# KiCad board labathome_pcb15.kicad_pcb (continued)
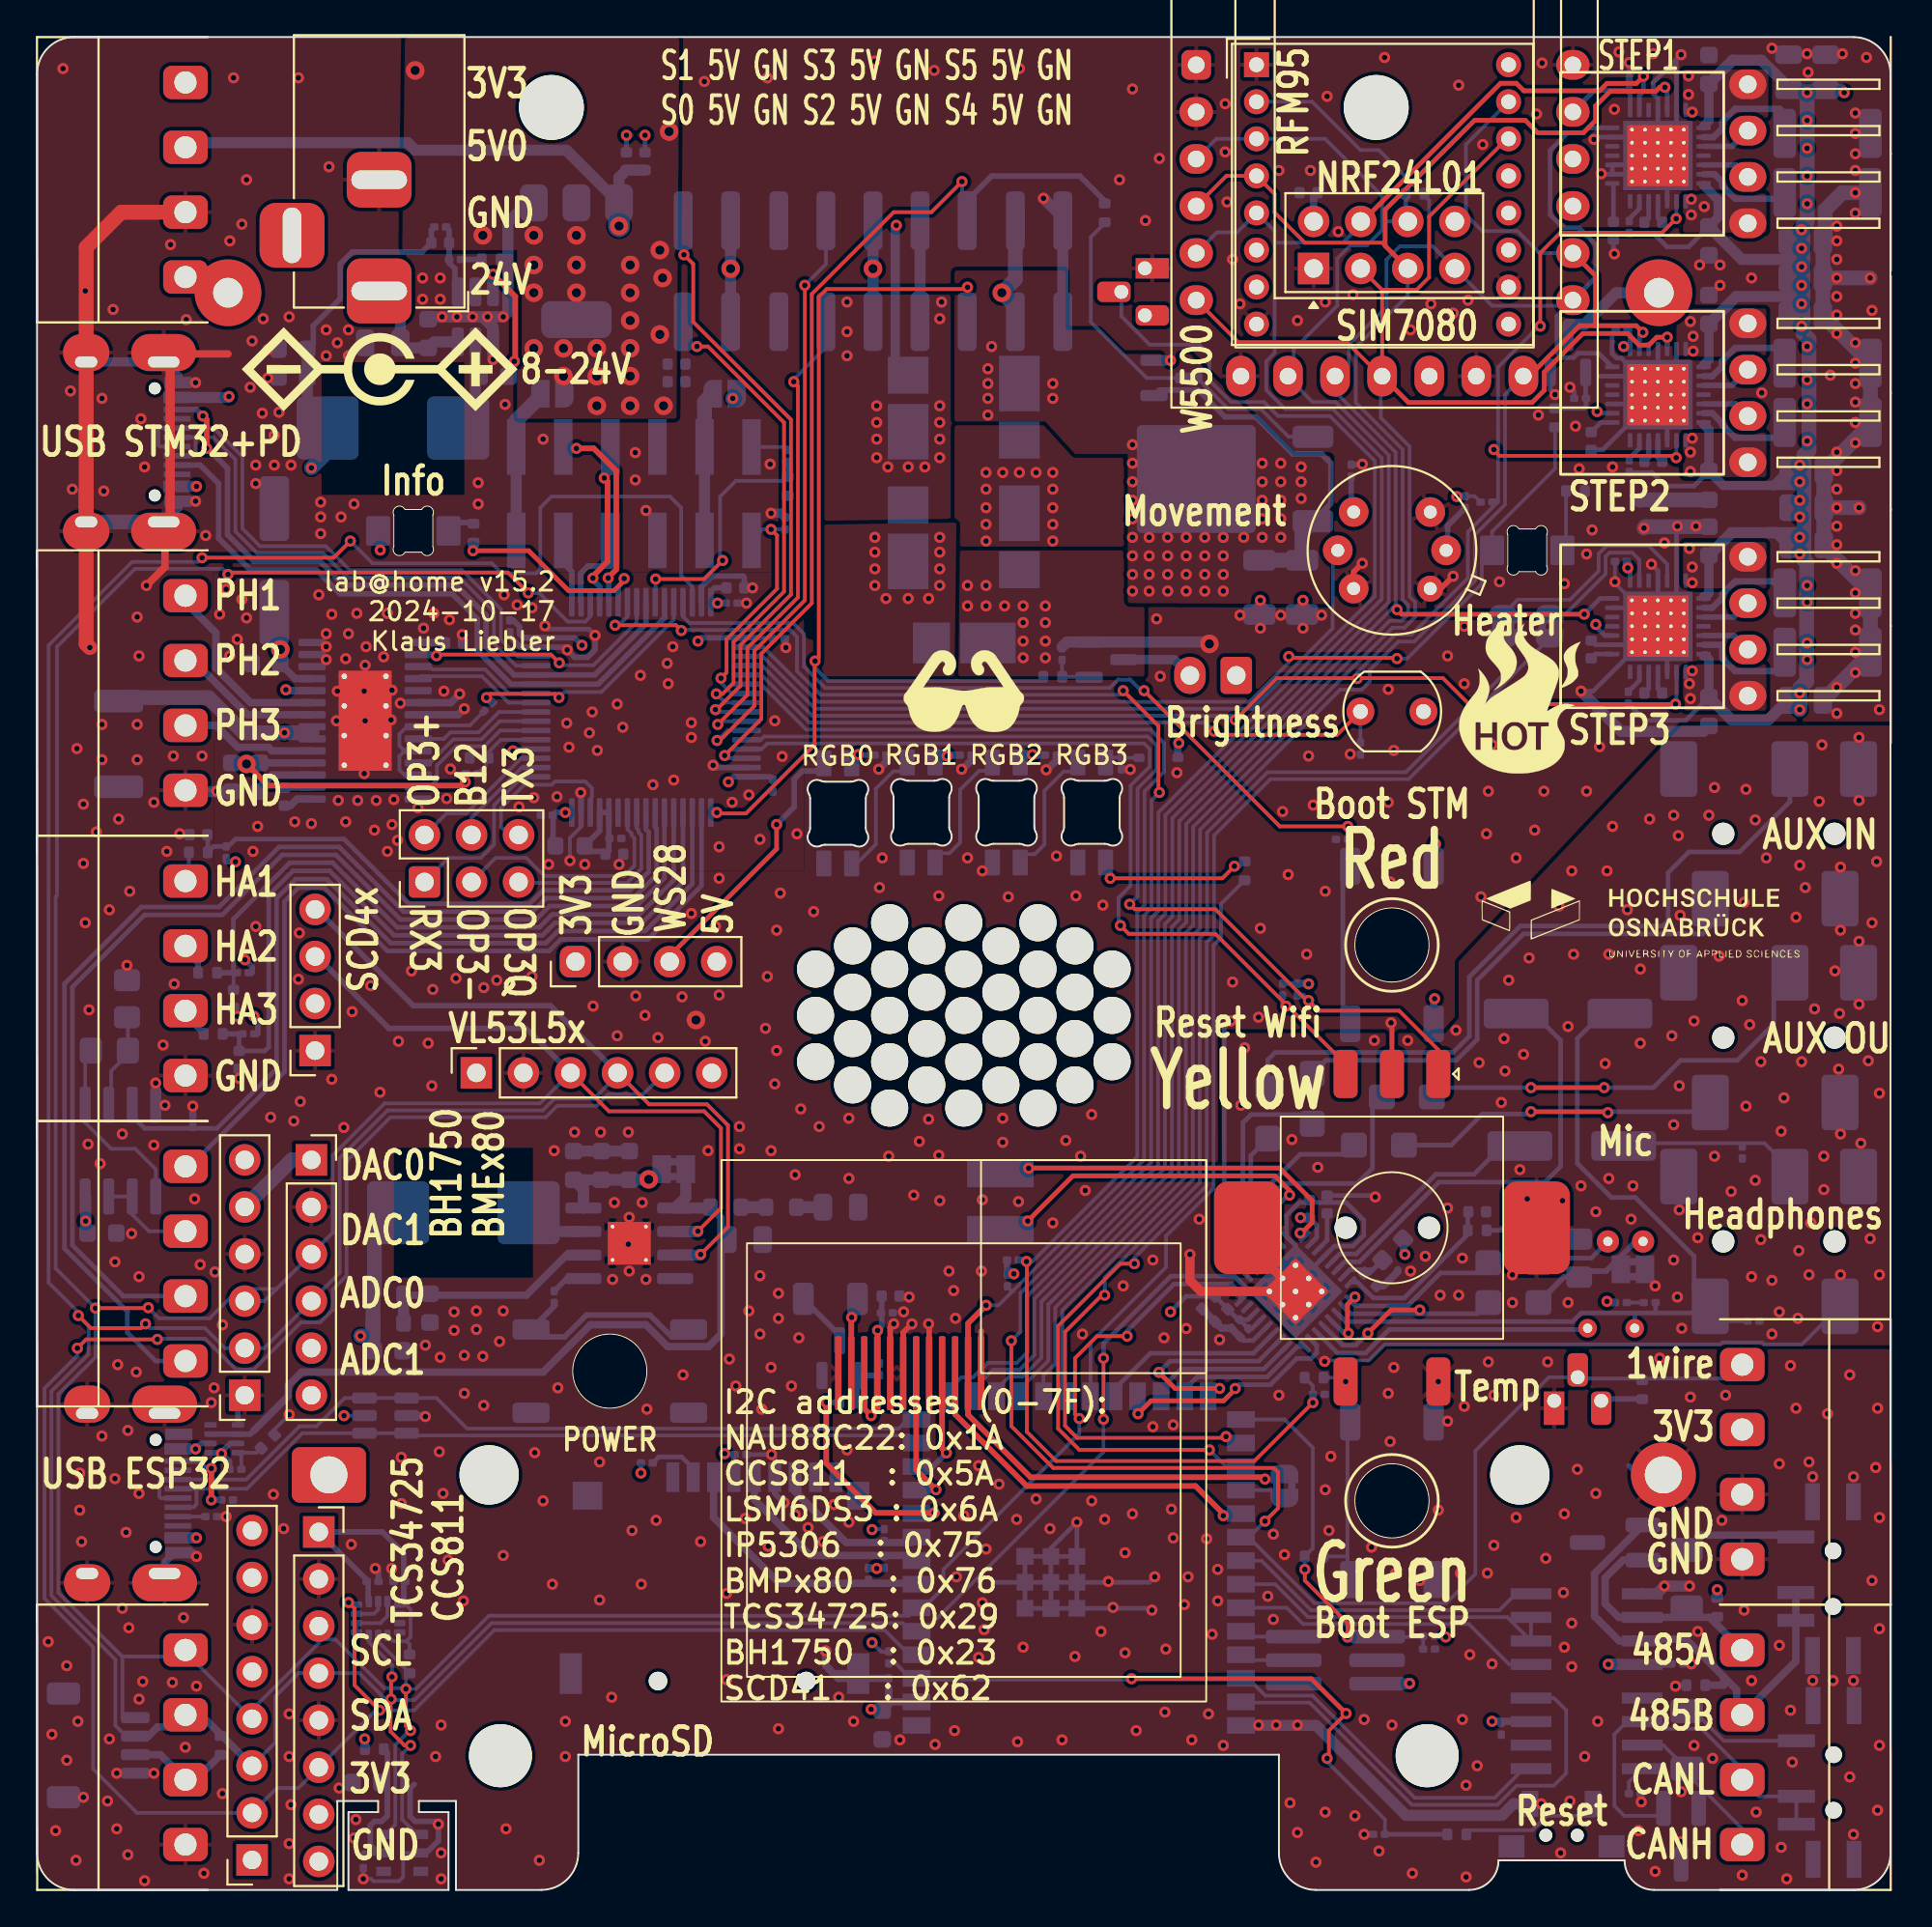
[diagram p0: board, top side]
## Library data of the parts
BT1 = -: Description: Single-cell battery
C1-C7 C11 C26-C31 C40-C48 C53 C56 C59 C64 C69 C72 C77-C85 C88 C93 C96 C97 = -: ki_fp_filters: C_*
C8-C10 C12-C15 C21 C22 C25 C32-C35 C37 C38 C49-C52 C58 C61 C63 C65-C68 C70 C71 C73-C76 C86 C87 C89-C92 C94 C95 C98 C120 = -: Description: Unpolarized capacitor; ki_fp_filters: C_*
C16 C17 C20 C23 C24 C62 = -: Description: Polarized capacitor, small symbol; ki_fp_filters: CP_*
C18 C19 = -: Description: Polarized capacitor; ki_fp_filters: CP_*
C36 = -: Datasheet: C307423; Description: Unpolarized capacitor; ki_fp_filters: C_*
C39 = -: Datasheet: C72478; Description: Polarized capacitor; ki_fp_filters: CP_*
C54 C55 C57 C60 = -: Option: MS4525DO; ki_fp_filters: C_*
D2 = -: Datasheet: https://www.onsemi.com/pub_link/Collateral/NUP2105L-D.PDF; Description: Dual Line CAN Bus Protector, 24Vrwm; ki_fp_filters: SOT?23*
D3 = -: Datasheet: https://www.littelfuse.com/~/media/electronics/datasheets/tvs_diode_arrays/littelfuse_tvs_diode_array_sm712_datasheet.pdf.pdf; ki_fp_filters: SOT?23*
D8-D12 D14 D19 = -: ki_fp_filters: LED* LED_SMD:* LED_THT:*
D15-D17 D21 = -: ki_fp_filters: LED*SK6812*PLCC*5.0x5.0mm*P3.2mm*
D20 = -: Description: Diode; Sim.Device: D; Sim.Pins: 1=K 2=A; ki_fp_filters: TO-???* *_Diode_* *SingleDiode* D_*
DRAWING1 = -: Description: Fiducial Marker; ki_fp_filters: Fiducial*
FB1 = -: Description: Ferrite bead, small symbol; ki_fp_filters: Inductor_* L_* *Ferrite*
FB2 = -: Datasheet: C19330; Description: Ferrite bead, small symbol; ki_fp_filters: Inductor_* L_* *Ferrite*
J1 J2 J4 J7 J10 J12 J15 J19-J22 J24 J27 J28 J30 J31 = -: ki_fp_filters: Connector*:*_1x??_*
J3 J14 J16 = -: Description: Audio Jack, 3 Poles (Stereo / TRS), Switched T Pole (Normalling); ki_fp_filters: Jack*
J5 J13 = -: Datasheet: https://www.usb.org/sites/default/files/documents/usb_type-c.zip; Description: USB 2.0-only 16P Type-C Receptacle connector; ki_fp_filters: USB*C*Receptacle*
J6 = -: ki_fp_filters: Connector*:*_2x??_*
J8 = -: Description: Generic connector, single row, 01x04, script generated (kicad-library-utils/schlib/autogen/connector/); ki_fp_filters: Connector*:*_1x??_*
J9 = -: Description: DC Barrel Jack with an internal switch; ki_fp_filters: BarrelJack*
J11 = -: Description: Generic connectable mounting pin connector, single row, 01x04, script generated (kicad-library-utils/schlib/autogen/connector/); ki_fp_filters: Connector*:*_1x??-1MP*
J17 = -: Datasheet: https://datasheet.lcsc.com/lcsc/2110151630_XKB-Connectivity-XKTF-015-N_C381082.pdf; Description: Micro SD Card Socket with one card detection pin; ki_fp_filters: microSD*
J23 = -: Description: Generic connector, single row, 01x06, script generated (kicad-library-utils/schlib/autogen/connector/); ki_fp_filters: Connector*:*_1x??_*
J26 = -: Description: Generic connector, double row, 02x09, odd/even pin numbering scheme (row 1 odd numbers, row 2 even numbers), script generated (kicad-library-utils/schlib/autogen/connector/); ki_fp_filters: Connector*:*_2x??_*
J34 = -: Description: Generic connector, double row, 02x03, odd/even pin numbering scheme (row 1 odd numbers, row 2 even numbers), script generated (kicad-library-utils/schlib/autogen/connector/); ki_fp_filters: Connector*:*_2x??_*
J36 = -: Description: Generic connector, double row, 02x06, odd/even pin numbering scheme (row 1 odd numbers, row 2 even numbers), script generated (kicad-library-utils/schlib/autogen/connector/); ki_fp_filters: Connector*:*_2x??_*
JP1-JP3 JP6 JP7 = -: Description: Jumper, 2-pole, closed/bridged; ki_fp_filters: Jumper* TestPoint*2Pads* TestPoint*Bridge*
JP4 JP5 = -: Description: Solder Jumper, 2-pole, open; ki_fp_filters: SolderJumper*Open*
L1 = -: ki_fp_filters: Choke_* *Coil* Inductor_* L_*
L4 = -: Datasheet: C408449; ki_fp_filters: Choke_* *Coil* Inductor_* L_*
LS2 = -: Description: Mounting Hole without connection; ki_fp_filters: MountingHole*
MK1 = -: Description: Condenser microphone
NT1 = -: Description: Net tie, 2 pins; ki_fp_filters: Net*Tie*
Q1 = -: Datasheet: https://www.onsemi.com/pub/Collateral/BC818-D.pdf; ki_fp_filters: SOT?23*
Q2 Q5 Q6 = -: Datasheet: https://www.infineon.com/dgdl/irlml0030pbf.pdf?fileId=5546d462533600a401535664773825df; Description: 5.3A Id, 30V Vds, 27mOhm Rds, N-Channel HEXFET Power MOSFET, SOT-23; ki_fp_filters: SOT?23*
Q3 = -: Description: NPN transistor, base/collector/emitter
R1-R8 R12 R13 R15 R18-R22 R28 R30 R31 R33-R37 R39-R50 R53 R56-R62 R66 R67 R70 R72-R75 R78 = -: ki_fp_filters: R_*
R9-R11 R14 R16 R17 R23-R27 R29 R38 R51 R54 R55 R63-R65 R68 R69 R71 R79 R80 R83 R84 R87 R88 = -: Description: Resistor; ki_fp_filters: R_*
R32 = -: ki_fp_filters: *LDR* R?LDR*
R52 = -: Option: Sound only; ki_fp_filters: R_*
SW2 SW3 = -: Description: Switch, single pole double throw
SW6 = -: Description: Rotary encoder, dual channel, incremental quadrate outputs, with switch and MP Pin; ki_fp_filters: RotaryEncoder*Switch*
TP1 TP6 = -: Description: test point; ki_fp_filters: Pin* Test*
U1 = -: Datasheet: https://datasheets.maximintegrated.com/en/ds/MAX3483-MAX3491.pdf; Description: True RS-485/RS-422, 10Mbps, Slew-Rate Limited, with low-power shutdown, with receiver/driver enable, 32 receiver drive capacitity, DIP-8 and SOIC-8; ki_fp_filters: DIP*W7.62mm* SOIC*3.9x4.9mm*P1.27mm*
U4 = -: Datasheet: https://www.espressif.com/sites/default/files/documentation/esp32-s3-wroom-1_wroom-1u_datasheet_en.pdf
U5 = -: Datasheet: https://www.st.com/resource/en/datasheet/stm32g431r8.pdf; Description: STMicroelectronics Arm Cortex-M4 MCU, 64KB flash, 32KB RAM, 170 MHz, 1.71-3.6V, 52 GPIO, LQFP64; ki_fp_filters: LQFP*10x10mm*P0.5mm*
U6 = -: Datasheet: https://www.hoperf.com/data/upload/portal/20181127/5bfcbea20e9ef.pdf; Description: Low power long range transceiver module, SPI and parallel interface, 868 MHz, spreading factor 6 to12, bandwidth 7.8 to 500kHz, -111 to -148 dBm, SMD-16, DIP-16; ki_fp_filters: HOPERF*RFM9XW*
U7 = -: Datasheet: http://www.ti.com/lit/ds/symlink/sn65hvd230.pdf; ki_fp_filters: SOIC*3.9x4.9mm*P1.27mm*
U8 = -: Datasheet: http://www.onsemi.com/pub/Collateral/SRV05-4-D.PDF; ki_fp_filters: SOT?23*
U9 = -: Datasheet: https://www.st.com/resource/en/datasheet/lsm6ds3tr-c.pdf; Description: I2C/SPI, iNEMO inertial module: always-on 3D accelerometer and 3D gyroscope; ki_fp_filters: LGA*3x2.5mm*P0.5mm*LayoutBorder3x4y*
U11 = -: Datasheet: http://www.advanced-monolithic.com/pdf/ds1117.pdf; Description: 1A Low Dropout regulator, positive, 3.3V fixed output, SOT-223; ki_fp_filters: SOT?223*TabPin2*
U13 U17 = -: Datasheet: http://datasheets.maximintegrated.com/en/ds/DS18B20.pdf; Description: Programmable Resolution 1-Wire Digital Thermometer TO-92; ki_fp_filters: TO*92*
U14 U19 U20 = -: Datasheet: https://www.analog.com/media/en/technical-documentation/data-sheets/TMC2202_TMC2208_TMC2224_datasheet_rev1.13.pdf; Description: Standalone driver for two-phase bipolar stepper motor, 2A, 4.75… 36V, UART, internal FETs, QFN28; ki_fp_filters: TQFN*1EP?5x5mm?P0.5mm*
U15 = -: Datasheet: http://www.nordicsemi.com/eng/content/download/2730/34105/file/nRF24L01_Product_Specification_v2_0.pdf; Description: Ultra low power 2.4GHz RF Transceiver, Carrier PCB; ki_fp_filters: nRF24L01*Breakout*
U16 = -: Datasheet: http://www.ti.com/lit/ds/symlink/lm2904-n.pdf; ki_fp_filters: SOIC*3.9x4.9mm*P1.27mm* DIP*W7.62mm* TO*99* OnSemi*Micro8* TSSOP*3x3mm*P0.65mm* TSSOP*4.4x3mm*P0.65mm* MSOP*3x3mm*P0.65mm* SSOP*3.9x4.9mm*P0.635mm* LFCSP*2x2mm*P0.5mm* *SIP* SOIC*5.3x6.2mm*P1.27mm*
U18 = -: Datasheet: https://www.ti.com/lit/ds/symlink/tps2116.pdf; Description: 2 Channnels Power Mux with Manual and Priority Switchover, 1.6-5.5V Input Voltage, 2.5A Output Current, Ron 40 mOhm, SOT-583-8; ki_fp_filters: SOT?5?3*
U27 = -: Datasheet: http://www.ti.com/lit/ds/symlink/tps54202.pdf; ki_fp_filters: SOT?23*

## Footprints (pads in the part's own frame, mm; a bottom-side part is the same pattern mirrored in y, then rotated)
AHT21
  rect 0.8x0.5 smd: 1(-1,1) 2(-1,0) 3(-1,-1) 4(1,-1) 5(1,0) 6(1,1)
AM612
  oval 1.4x1.4 hole 0.7: 1(2.7,-1.12)
  round 1.6 hole 0.7: 2(2.7,1.12) 3(1.12,2.7) 4(-2.7,1.12) 5(-2.7,-1.12) 6(-1.12,-2.7)
BarrelJack_Horizontal
  rrect 3x3.5 hole 1x3: 1(-6,0)
  rrect 3.5x3.5 hole 1x3: 2(0,0)
  rrect 3.5x3.5 hole 3x1: 3(-3,-4.7)
BatteryHolder_MPD_BH-18650-PC2
  round 3.2 hole 3.2 unplated: (8.645,0) (64.255,0)
  rrect 4x3 hole 2: 1(0,0)
  round 3.5 hole 2: 2(72,0)
Button_2x4x3,5_handsolder
  round 0.7 hole 0.7 unplated: (-0.85,0) (0.85,0)
  rect 0.9x1.4 smd: 1(-1.7,-1.7) 2(1.7,-1.7)
  rect 1.4x1.2 smd: MP(-2.7,0.6) MP(2.7,0.6)
C_0201_0603Metric
  rrect 0.318x0.36 smd: (-0.345,0) (0.345,0)
  rrect 0.46x0.4 smd: 1(-0.32,0) 2(0.32,0)
C_0402_1005Metric
  rrect 0.56x0.62 smd: 1(-0.48,0) 2(0.48,0)
C_0603_1608Metric
  rrect 0.9x0.95 smd: 1(-0.775,0) 2(0.775,0)
C_0805_2012Metric
  rrect 1x1.45 smd: 1(-0.95,0) 2(0.95,0)
CP_EIA-3216-10_Kemet-I
  rrect 1.4x1.35 smd: 1(-1.35,0) 2(1.35,0)
CP_Elec_6.3x5.4
  rrect 3.5x1.6 smd: 1(-2.8,0) 2(2.8,0)
D_0805_2012Metric_Pad1.15x1.40mm_HandSolder
  rrect 1.15x1.4 smd: 1(-1.025,0) 2(1.025,0)
D_SOD-323
  rrect 0.6x0.45 smd: 1(-1.05,0) 2(1.05,0)
ESP32-S3-WROOM-1
  rect 1.5x0.9 smd: 1(-8.75,8.26) 2(-8.75,6.99) 3(-8.75,5.72) 4(-8.75,4.45) 5(-8.75,3.18) 6(-8.75,1.91) 7(-8.75,0.64) 8(-8.75,-0.63) 9(-8.75,-1.9) 10(-8.75,-3.17) 11(-8.75,-4.44) 12(-8.75,-5.71) 13(-8.75,-6.98) 14(-8.75,-8.25) 27(8.75,-8.25) 28(8.75,-6.98) 29(8.75,-5.71) 30(8.75,-4.44) 31(8.75,-3.17) 32(8.75,-1.9) 33(8.75,-0.63) 34(8.75,0.64) 35(8.75,1.91) 36(8.75,3.18) 37(8.75,4.45) 38(8.75,5.72) 39(8.75,6.99) 40(8.75,8.26)
  rect 0.9x1.5 smd: 15(-6.985,-9.5) 16(-5.715,-9.5) 17(-4.445,-9.5) 18(-3.175,-9.5) 19(-1.905,-9.5) 20(-0.635,-9.5) 21(0.635,-9.5) 22(1.905,-9.5) 23(3.175,-9.5) 24(4.445,-9.5) 25(5.715,-9.5) 26(6.985,-9.5)
  rect 0.9x0.9 smd: 41(-2.9,-0.86) 41(-2.9,-0.86) 41(-2.9,0.54) 41(-2.9,1.94) 41(-1.5,-0.86) 41(-1.5,0.54) 41(-1.5,1.94) 41(-1.5,1.94) 41(-0.1,-0.86) 41(-0.1,0.54) 41(-0.1,1.94)
FAN_6024
  round 3.4 hole 3.4 unplated: (-25,12.5) (25,12.5)
HOPERF_RFM9XW_THT
  rect 1.35x1.35 hole 0.8: 1(0,0)
  round 1.35 hole 0.8: 2(0,-2) 3(0,-4) 4(0,-6) 5(0,-8) 6(0,-10) 7(0,-12) 8(0,-14) 9(13.6,-14) 10(13.6,-12) 11(13.6,-10) 12(13.6,-8) 13(13.6,-6) 14(13.6,-4) 15(13.6,-2) 16(13.6,0)
HSOP-8-1EP_3.9x4.9mm_P1.27mm_EP2.3x2.3mm_ThermalVias
  rrect 0.93x0.93 smd: (-0.575,-0.575) (-0.575,0.575) (0.575,-0.575) (0.575,0.575)
  rrect 1.95x0.6 smd: 1(-2.475,1.905) 2(-2.475,0.635) 3(-2.475,-0.635) 4(-2.475,-1.905) 5(2.475,-1.905) 6(2.475,-0.635) 7(2.475,0.635) 8(2.475,1.905)
  round 0.5 hole 0.2: 9(-0.9,-0.9) 9(-0.9,0.9) 9(0.9,-0.9) 9(0.9,0.9)
  rect 2.3x2.3 smd far side: 9(0,0)
  rect 2.3x2.3 smd: 9(0,0)
HTSSOP-28-1EP_4.4x9.7mm_P0.65mm_EP2.85x5.4mm_ThermalVias
  rrect 2.3x1.45 smd: (0,-1.8) (0,0) (0,1.8)
  rrect 1.475x0.4 smd: 1(-2.862,4.225) 2(-2.862,3.575) 3(-2.862,2.925) 4(-2.862,2.275) 5(-2.862,1.625) 6(-2.862,0.975) 7(-2.862,0.325) 8(-2.862,-0.325) 9(-2.862,-0.975) 10(-2.862,-1.625) 11(-2.862,-2.275) 12(-2.862,-2.925) 13(-2.862,-3.575) 14(-2.862,-4.225) 15(2.862,-4.225) 16(2.862,-3.575) 17(2.862,-2.925) 18(2.862,-2.275) 19(2.862,-1.625) 20(2.862,-0.975) 21(2.862,-0.325) 22(2.862,0.325) 23(2.862,0.975) 24(2.862,1.625) 25(2.862,2.275) 26(2.862,2.925) 27(2.862,3.575) 28(2.862,4.225)
  round 0.6 hole 0.3: 29(-1.125,-2.4) 29(-1.125,-0.8) 29(-1.125,0.8) 29(-1.125,2.4) 29(1.125,-2.4) 29(1.125,-0.8) 29(1.125,0.8) 29(1.125,2.4)
  rect 2.85x5.4 smd far side: 29(0,0)
  rect 2.85x5.4 smd: 29(0,0)
IPS_130
  rrect 0.35x4 smd: 1(6.77,-4.69) 2(6.07,-4.69) 3(5.37,-4.69) 4(4.67,-4.69) 5(3.97,-4.69) 6(3.27,-4.69) 7(2.57,-4.69) 8(1.87,-4.69) 9(1.17,-4.69) 10(0.47,-4.69) 11(-0.23,-4.69) 12(-0.93,-4.69)
JST_SH_SM04B-SRSS-TB_1x04-1MP_P1.00mm_Horizontal
  rrect 0.6x1.55 smd: 1(-1.5,2) 2(-0.5,2) 3(0.5,2) 4(1.5,2)
  rrect 1.2x1.8 smd: MP(-2.8,-1.875) MP(2.8,-1.875)
JST_XH_B2B-XH-A_1x02_P2.50mm_Vertical
  rrect 1.7x2 hole 1: 1(0,0)
  oval 1.7x2 hole 1: 2(2.5,0)
JST_XH_S4B-XH-A-1_1x04_P2.50mm_Horizontal_SmallerCourtyard
  oval 1.6x2 hole 0.95: 1(0,0) 2(2.5,0) 3(5,0) 4(7.5,0)
L_0603_1608Metric
  rrect 0.875x0.95 smd: 1(-0.788,0) 2(0.788,0)
L_0630
  rrect 3.35x3.4 smd: 1(-3.525,0) 2(3.525,0)
L_Abracon_ASPI-0425
  rect 1.5x3.6 smd: 1(-1.525,0) 2(1.525,0)
LED_1206_3216Metric_ReverseMount
  rrect 1.3x1.6 smd: 1(-1.9,0) 2(1.9,0)
LED_PLCC_2835_Handsoldering
  rect 3x2.2 smd: 1(-1.3,0)
  rect 2x2.2 smd: 2(1.75,0)
LGA-14_3x2.5mm_P0.5mm_LayoutBorder3x4y
  rrect 0.625x0.35 smd: 1(-1.163,0.75) 2(-1.163,0.25) 3(-1.163,-0.25) 4(-1.163,-0.75) 8(1.163,-0.75) 9(1.163,-0.25) 10(1.163,0.25) 11(1.163,0.75)
  rrect 0.35x0.625 smd: 5(-0.5,-0.912) 6(0,-0.912) 7(0.5,-0.912) 12(0.5,0.912) 13(0,0.912) 14(-0.5,0.912)
LQFP-64_10x10mm_P0.5mm
  rrect 1.55x0.3 smd: 1(-5.675,3.75) 2(-5.675,3.25) 3(-5.675,2.75) 4(-5.675,2.25) 5(-5.675,1.75) 6(-5.675,1.25) 7(-5.675,0.75) 8(-5.675,0.25) 9(-5.675,-0.25) 10(-5.675,-0.75) 11(-5.675,-1.25) 12(-5.675,-1.75) 13(-5.675,-2.25) 14(-5.675,-2.75) 15(-5.675,-3.25) 16(-5.675,-3.75) 33(5.675,-3.75) 34(5.675,-3.25) 35(5.675,-2.75) 36(5.675,-2.25) 37(5.675,-1.75) 38(5.675,-1.25) 39(5.675,-0.75) 40(5.675,-0.25) 41(5.675,0.25) 42(5.675,0.75) 43(5.675,1.25) 44(5.675,1.75) 45(5.675,2.25) 46(5.675,2.75) 47(5.675,3.25) 48(5.675,3.75)
  rrect 0.3x1.55 smd: 17(-3.75,-5.675) 18(-3.25,-5.675) 19(-2.75,-5.675) 20(-2.25,-5.675) 21(-1.75,-5.675) 22(-1.25,-5.675) 23(-0.75,-5.675) 24(-0.25,-5.675) 25(0.25,-5.675) 26(0.75,-5.675) 27(1.25,-5.675) 28(1.75,-5.675) 29(2.25,-5.675) 30(2.75,-5.675) 31(3.25,-5.675) 32(3.75,-5.675) 49(3.75,5.675) 50(3.25,5.675) 51(2.75,5.675) 52(2.25,5.675) 53(1.75,5.675) 54(1.25,5.675) 55(0.75,5.675) 56(0.25,5.675) 57(-0.25,5.675) 58(-0.75,5.675) 59(-1.25,5.675) 60(-1.75,5.675) 61(-2.25,5.675) 62(-2.75,5.675) 63(-3.25,5.675) 64(-3.75,5.675)
Microphone_6mm
  round 1.2 hole 0.5: 1(-0.95,1) 2(0.95,1)
microSD push
  round 1 hole 1 unplated: (0,0) (8,0)
  rect 0.7x1.6 smd: 1(7.2,11) 2(6.1,11) 3(5,11) 4(3.9,11) 5(2.8,11) 6(1.7,11) 7(0.6,11) 8(-0.5,11) 9(-1.6,11)
  rect 1.2x2.2 smd: 10(-2.8,0.4) 10(12.7,0.4)
  rect 1.2x1.5 smd: 10(-2.8,10)
  rect 1.6x1.5 smd: 10(11.8,10)
NetTie-2_SMD_Pad0.5mm
  round 0.5 smd: 1(-0.5,0) 2(0.5,0)
nRF24L01_Breakout
  rect 1.7x1.7 hole 1: 1(0,0)
  round 1.7 hole 1: 2(2.54,0) 3(0,-2.54) 4(2.54,-2.54) 5(0,-5.08) 6(2.54,-5.08) 7(0,-7.62) 8(2.54,-7.62)
PhoenixContact_MC_1,5_4-G-3.5_1x04_P3.50mm_Horizontal_smallerCourtyard
  rrect 1.8x2.4 hole 1.2: 1(-5.25,0) 2(-1.75,0) 3(1.75,0) 4(5.25,0)
PinHeader_1x04_P2.54mm_Vertical
  rrect 1.7x1.7 hole 1: 1(0,0)
  oval 1.7x1.7 hole 1: 2(0,-2.54) 3(0,-5.08) 4(0,-7.62)
PinHeader_2x03_P1.27mm_Vertical_SMD_handsolder
  rrect 3x0.74 smd: 1(-2.25,1.27) 2(2.25,1.27) 3(-2.25,0) 4(2.25,0) 5(-2.25,-1.27) 6(2.25,-1.27)
PinHeader_2x03_P2.54mm_Vertical
  rrect 1.7x1.7 hole 1: 1(0,0)
  oval 1.7x1.7 hole 1: 2(2.54,0) 3(0,-2.54) 4(2.54,-2.54) 5(0,-5.08) 6(2.54,-5.08)
PinHeader_2x09_P2.54mm_Horizontal_SMD
  rrect 3.17x1.02 smd: 1(-2.725,10.24) 2(2.725,10.24) 3(-2.725,7.68) 4(2.725,7.68) 5(-2.725,5.08) 6(2.725,5.08) 7(-2.725,2.54) 8(2.725,2.54) 9(-2.725,0) 10(2.725,0) 11(-2.725,-2.54) 12(2.725,-2.54) 13(-2.725,-5.08) 14(2.725,-5.08) 15(-2.725,-7.68) 16(2.725,-7.68) 17(-2.725,-10.24) 18(2.725,-10.24)
PinSocket_1x04_P2.54mm_Vertical
  rect 1.7x1.7 hole 1: 1(0,0)
  oval 1.7x1.7 hole 1: 2(0,-2.54) 3(0,-5.08) 4(0,-7.62)
PinSocket_1x06_P2.54mm_Vertical
  rect 1.7x1.7 hole 1: 1(0,0)
  oval 1.7x1.7 hole 1: 2(0,-2.54) 3(0,-5.08) 4(0,-7.62) 5(0,-10.16) 6(0,-12.7)
PinSocket_1x08_P2.54mm_Vertical
  rect 1.7x1.7 hole 1: 1(0,0)
  oval 1.7x1.7 hole 1: 2(0,-2.54) 3(0,-5.08) 4(0,-7.62) 5(0,-10.16) 6(0,-12.7) 7(0,-15.24) 8(0,-17.78)
PinSocket_2x06_P2.54mm_Vertical_SMD
  rect 3x1 smd: 1(2.52,6.35) 2(-2.52,6.35) 3(2.52,3.81) 4(-2.52,3.81) 5(2.52,1.27) 6(-2.52,1.27) 7(2.52,-1.27) 8(-2.52,-1.27) 9(2.52,-3.81) 10(-2.52,-3.81) 11(2.52,-6.35) 12(-2.52,-6.35)
PJ-327A
  round 1.2 hole 1.2 unplated: (0,-9) (0,-3)
  rrect 3x2 smd: R(3.5,-5.4) S(-3.5,-2.7) S(3.5,-1.7) T(-3.5,-9.7) TN(3.5,-11.4)
QFN-28-1EP_5x5mm_P0.5mm_EP3.75x3.75mm_ThermalVias
  custom 0.383x0.383 smd: (-1.637,-1.637) (-1.637,1.637) (1.637,-1.637) (1.637,1.637)
  custom 0.383x0.564 smd: (-1.637,-1.05) (-1.637,-0.35) (-1.637,0.35) (-1.637,1.05) (1.637,-1.05) (1.637,-0.35) (1.637,0.35) (1.637,1.05)
  custom 0.564x0.383 smd: (-1.05,-1.637) (-1.05,1.637) (-0.35,-1.637) (-0.35,1.637) (0.35,-1.637) (0.35,1.637) (1.05,-1.637) (1.05,1.637)
  custom 0.564x0.564 smd: (-1.05,-1.05) (-1.05,-0.35) (-1.05,0.35) (-1.05,1.05) (-0.35,-1.05) (-0.35,-0.35) (-0.35,0.35) (-0.35,1.05) (0.35,-1.05) (0.35,-0.35) (0.35,0.35) (0.35,1.05) (1.05,-1.05) (1.05,-0.35) (1.05,0.35) (1.05,1.05)
  rrect 0.775x0.25 smd: 1(-2.462,1.5) 2(-2.462,1) 3(-2.462,0.5) 4(-2.462,0) 5(-2.462,-0.5) 6(-2.462,-1) 7(-2.462,-1.5) 15(2.462,-1.5) 16(2.462,-1) 17(2.462,-0.5) 18(2.462,0) 19(2.462,0.5) 20(2.462,1) 21(2.462,1.5)
  rrect 0.25x0.775 smd: 8(-1.5,-2.462) 9(-1,-2.462) 10(-0.5,-2.462) 11(0,-2.462) 12(0.5,-2.462) 13(1,-2.462) 14(1.5,-2.462) 22(1.5,2.462) 23(1,2.462) 24(0.5,2.462) 25(0,2.462) 26(-0.5,2.462) 27(-1,2.462) 28(-1.5,2.462)
  round 0.5 hole 0.2: 29(-1.4,-1.4) 29(-1.4,-0.7) 29(-1.4,0) 29(-1.4,0.7) 29(-1.4,1.4) 29(-0.7,-1.4) 29(-0.7,-0.7) 29(-0.7,0) 29(-0.7,0.7) 29(-0.7,1.4) 29(0,-1.4) 29(0,-0.7) 29(0,0) 29(0,0.7) 29(0,1.4) 29(0.7,-1.4) 29(0.7,-0.7) 29(0.7,0) 29(0.7,0.7) 29(0.7,1.4) 29(1.4,-1.4) 29(1.4,-0.7) 29(1.4,0) 29(1.4,0.7) 29(1.4,1.4)
  rect 3.3x3.3 smd far side: 29(0,0)
  rect 3.75x3.75 smd: 29(0,0)
QFN-32-1EP_5x5mm_P0.5mm_EP3.6x3.6mm_ThermalVias
  custom 0.645x0.645 smd: (-1.4,-1.4) (-1.4,1.4) (1.4,-1.4) (1.4,1.4)
  custom 0.645x0.806 smd: (-1.4,-0.5) (-1.4,0.5) (1.4,-0.5) (1.4,0.5)
  custom 0.806x0.645 smd: (-0.5,-1.4) (-0.5,1.4) (0.5,-1.4) (0.5,1.4)
  rrect 0.806x0.806 smd: (-0.5,-0.5) (-0.5,0.5) (0.5,-0.5) (0.5,0.5)
  rrect 0.8x0.25 smd: 1(-2.45,1.75) 2(-2.45,1.25) 3(-2.45,0.75) 4(-2.45,0.25) 5(-2.45,-0.25) 6(-2.45,-0.75) 7(-2.45,-1.25) 8(-2.45,-1.75) 17(2.45,-1.75) 18(2.45,-1.25) 19(2.45,-0.75) 20(2.45,-0.25) 21(2.45,0.25) 22(2.45,0.75) 23(2.45,1.25) 24(2.45,1.75)
  rrect 0.25x0.8 smd: 9(-1.75,-2.45) 10(-1.25,-2.45) 11(-0.75,-2.45) 12(-0.25,-2.45) 13(0.25,-2.45) 14(0.75,-2.45) 15(1.25,-2.45) 16(1.75,-2.45) 25(1.75,2.45) 26(1.25,2.45) 27(0.75,2.45) 28(0.25,2.45) 29(-0.25,2.45) 30(-0.75,2.45) 31(-1.25,2.45) 32(-1.75,2.45)
  round 0.6 hole 0.3: 33(-1,-1) 33(-1,0) 33(-1,1) 33(0,-1) 33(0,0) 33(0,1) 33(1,-1) 33(1,0) 33(1,1)
  rect 2.5x2.5 smd far side: 33(0,0)
  rect 3.6x3.6 smd: 33(0,0)
R_0201_0603Metric
  rrect 0.318x0.36 smd: (-0.345,0) (0.345,0)
  rrect 0.46x0.4 smd: 1(-0.32,0) 2(0.32,0)
R_0402_1005Metric
  rrect 0.54x0.64 smd: 1(-0.51,0) 2(0.51,0)
R_0603_1608Metric
  rrect 0.8x0.95 smd: 1(-0.825,0) 2(0.825,0)
R_0805_2012Metric_Pad1.20x1.40mm_HandSolder
  rrect 1.2x1.4 smd: 1(-1,0) 2(1,0)
R_1206_3216Metric
  rrect 1.125x1.75 smd: 1(-1.462,0) 2(1.462,0)
R_1206_3216Metric_Pad1.30x1.75mm_HandSolder
  rrect 1.3x1.75 smd: 1(-1.55,0) 2(1.55,0)
R_2010_5025Metric
  rrect 1.225x2.65 smd: 1(-2.312,0) 2(2.312,0)
R_LDR_5.1x4.3mm_P3.4mm_Vertical
  round 1.5 hole 0.8: 1(0,0) 2(3.4,0)
Resistor_100W
  oval 3.5x3.5 hole 3.5 unplated: (-22.25,-10) (22.25,-10)
  round 3.6 hole 1.6: 1(-39.7,0) 2(37.5,0)
RotaryEncoder_EC11_SMD_handsolder
  round 1.2 hole 1.2 unplated: (-2,0) (2.5,0)
  rrect 1.3x2.6 smd: A(-2.5,-8.3) B(2.5,-8.3) C(0,-8.3) S1(-2.5,8.3) S2(2.5,8.3)
  rrect 3.6x5 smd: MP(-7.8,0) MP(7.8,0)
SIM7080G_AND_MODULE
  oval 2.2x1.6 hole 0.9: 1(0,7.62) 2(0,5.08) 3(0,2.54) 4(0,0) 5(0,-2.54) 6(0,-5.08) 7(0,-7.62)
SK6812MINI-E_REV
  rrect 1.4x0.82 smd: 1(2.7,0.75) 2(2.7,-0.75) 3(-2.7,-0.75) 4(-2.7,0.75)
SOIC-8_3.9x4.9mm_P1.27mm
  rrect 1.95x0.6 smd: 1(-2.475,1.905) 2(-2.475,0.635) 3(-2.475,-0.635) 4(-2.475,-1.905) 5(2.475,-1.905) 6(2.475,-0.635) 7(2.475,0.635) 8(2.475,1.905)
SOIC-8_3.9x4.9mm_Pitch1.27mm_handsolder
  rect 2.2x0.6 smd: 1(-3,1.905) 2(-3,0.635) 3(-3,-0.635) 4(-3,-1.905) 5(3,-1.905) 6(3,-0.635) 7(3,0.635) 8(3,1.905)
SolderJumper-2_P1.3mm_Bridged2Bar_Pad1.0x1.5mm
  rect 1x1.5 smd: 1(-0.65,0) 2(0.65,0)
SolderJumper-2_P1.3mm_Bridged2Bar_RoundedPad1.0x1.5mm
  custom 1x1.5 smd: 1(-0.65,0) 2(0.65,0)
SolderJumper-2_P1.3mm_Open_RoundedPad1.0x1.5mm
  custom 1x1.5 smd: 1(-0.65,0) 2(0.65,0)
SOT-23
  rrect 1.475x0.6 smd: 1(-0.938,0.95) 2(-0.938,-0.95) 3(0.938,0)
SOT-23-6
  rrect 1.325x0.6 smd: 1(-1.137,0.95) 2(-1.137,0) 3(-1.137,-0.95) 4(1.137,-0.95) 5(1.137,0) 6(1.137,0.95)
SOT-23-6_Handsoldering
  rrect 1.56x0.65 smd: 1(-1.35,0.95) 2(-1.35,0) 3(-1.35,-0.95) 4(1.35,-0.95) 5(1.35,0) 6(1.35,0.95)
SOT-23_Handsoldering
  rrect 1.9x0.8 smd: 1(-1.5,0.95) 2(-1.5,-0.95) 3(1.5,0)
SOT-223-3_TabPin2
  rrect 2x1.5 smd: 1(-3.15,2.3) 2(-3.15,0) 3(-3.15,-2.3)
  rrect 2x3.8 smd: 2(3.15,0)
SOT-583-8
  rrect 0.67x0.3 smd: 1(-0.74,0.75) 2(-0.74,0.25) 3(-0.74,-0.25) 4(-0.74,-0.75) 5(0.74,-0.75) 6(0.74,-0.25) 7(0.74,0.25) 8(0.74,0.75)
SPEAKER_2415
  round 2 hole 2 unplated: (-5,-4) (-5,0) (-5,4) (-3.75,-6) (-3.75,-2) (-3.75,2) (-3.75,6) (-2.5,-8) (-2.5,-4) (-2.5,0) (-2.5,4) (-2.5,8) (-1.25,-6) (-1.25,-2) (-1.25,2) (-1.25,6) (0,-8) (0,-4) (0,0) (0,4) (0,8) (1.25,-6) (1.25,-2) (1.25,2) (1.25,6) (2.5,-8) (2.5,-4) (2.5,0) (2.5,4) (2.5,8) (3.75,-6) (3.75,-2) (3.75,2) (3.75,6) (5,-4) (5,0) (5,4)
SW_Push_1P1T_NO_6x6mm_H6.5mm_Reverse
  rrect 2x1.1 smd: 1(-4.25,2.25) 1(4.25,2.25) 2(-4.25,-2.25) 2(4.25,-2.25)
SW_SPDT_PCM12_handsolder
  round 0.9 hole 0.9 unplated: (-1.5,-0.33) (1.5,-0.33)
  rect 0.7x2 smd: 1(-2.25,1.68) 2(0.75,1.68) 3(2.25,1.68)
  rect 2x0.8 smd: CASE(-4.15,-1.43) CASE(-4.15,0.78) CASE(4.15,-1.43) CASE(4.15,0.78)
TestPoint_THTPad_D1.0mm_Drill0.5mm
  round 1 hole 0.5: 1(0,0)
TO-92_HandSolder
  rect 1.1x1.8 hole 0.75: 1(0,0)
  rrect 1.1x1.8 hole 0.75: 2(1.27,1.27) 3(2.54,0)
TO-252-2
  rrect 2.2x1.2 smd: 1(-5.04,2.28) 3(-5.04,-2.28)
  rrect 3.05x2.75 smd: 2(-0.415,-1.525) 2(-0.415,1.525) 2(2.935,-1.525) 2(2.935,1.525)
  rrect 6.4x5.8 smd: 2(1.26,0)
USB_C_Receptacle_HRO_TYPE-C-31-M-12_IMPROVED
  round 0.65 hole 0.65 unplated: (-2.89,3.7) (2.89,3.7)
  rect 0.6x1.45 smd: A1(-3.2,4.95) A4(-2.4,4.9) A9(2.4,4.9) A12(3.2,4.95) B1(3.2,4.95) B4(2.4,4.9) B9(-2.4,4.9) B12(-3.2,4.95)
  rect 0.3x1.45 smd: A5(-1.25,4.9) A6(-0.25,4.9) A7(0.25,4.9) A8(1.25,4.9) B5(1.75,4.9) B6(0.75,4.9) B7(-0.75,4.9) B8(-1.75,4.9)
  oval 2x2.5 hole 0.6x1.2: S1(-4.32,0) S1(4.32,0)
  oval 2x3.5 hole 0.6x1.7: S1(-4.32,4.18) S1(4.32,4.18)
W5500-mini
  rrect 1.6x1.6 hole 0.9: 1(-10.16,6.35)
  oval 1.8x1.6 hole 0.9: 2(-10.16,3.81) 3(-10.16,1.27) 4(-10.16,-1.27) 5(-10.16,-3.81) 6(-10.16,-6.35) 7(10.16,-6.35) 8(10.16,-3.81) 9(10.16,-1.27) 10(10.16,1.27) 11(10.16,3.81) 12(10.16,6.35)

## Nets
5V_PD: C82.2 C83.1 C84.1 L4.1 R59.1 R72.2 U18.3 U18.5
5V_USB: J5.A4 J5.A9 J5.B4 J5.B9 U8.5 U18.6
24V_INPUT: R65.2 R71.1 U5.58
24V_SENSE: R68.2 R69.1 U5.37
+3.3VA: C14.1 FB1.1 U10.31
+3V3: C2.1 C3.2 C6.1 C11.1 C12.1 C13.1 C26.2 C27.1 C32.1 C33.1 C34.1 C35.1 C36.1 C43.2 C44.1 C50.1 C54.2 C55.2 C59.1 C60.2 C65.1 C66.1 C67.2 C87.1 C91.1 C120.1 D19.2 FB1.2 FB2.2 J2.3 J4.2 J6.2 J8.1 J10.1 J11.2 J12.5 J17.4 J19.5 J20.1 J21.3 J22.1 J23.1 JP5.1 M1.10 M1.11 R2.2 R8.1 R9.1 R17.1 R29.2 R32.1 R36.2 R37.1 R41.1 R42.2 R43.2 R44.2 R51.1 R53.1 R54.1 R56.1 R57.1 R58.1 R61.1 R62.1 R64.1 R67.1 SW7.1 U1.8 U4.2 U5.1 U5.16 U5.32 U5.48 U5.64 U6.13 U7.3 U9.5 U9.8 U9.12 U10.13 U10.14 U11.2 U13.3 U14.15 U15.2 U17.3 U19.9 U19.15 U20.10 U20.15 U22.4 X2.3 X2.4 X3.5
+3V8: BT1.1 C29.1 L1.2 R7.1 R28.1
+5V: C15.1 C28.2 C30.2 C31.2 C41.2 C42.1 C46.2 C47.2 C48.2 D15.1 D16.1 D17.1 D20.2 J7.1 J8.4 J22.2 J26.3 J26.4 J26.9 J26.10 J26.15 J26.16 JP2.2 JP4.2 U2.8 U10.26 U11.3
+24V: C39.1 C51.2 C52.2 C58.1 C63.1 C64.2 C68.1 C69.2 C72.2 C75.1 C76.1 C77.2 C78.2 C79.2 C80.2 C85.2 C86.1 C88.2 C89.1 C90.1 C92.1 C93.2 C96.2 C97.2 C98.1 D8.2 J9.2 J13.A4 J13.A9 J13.B4 J13.B9 J22.4 R33.1 R68.1 U3.4 U3.11 U14.22 U14.28 U16.8 U19.22 U19.28 U20.22 U20.28 U27.3
/slave_cpu/24V_INP: J36.1 R65.1
GND: BT1.2 C1.2 C2.2 C3.1 C4.2 C5.2 C6.2 C7.2 C8.2 C9.2 C10.2 C11.2 C12.2 C13.2 C25.2 C26.1 C27.2 C28.1 C29.2 C30.1 C31.1 C32.2 C33.2 C34.2 C35.2 C36.2 C37.2 C39.2 C40.1 C41.1 C42.2 C43.1 C44.2 C45.1 C46.1 C47.1 C48.1 C49.2 C50.2 C52.1 C53.1 C54.1 C55.1 C56.2 C57.1 C59.2 C60.1 C61.2 C63.2 C64.1 C65.2 C66.2 C67.1 C68.2 C69.1 C70.2 C72.1 C73.2 C76.2 C77.1 C78.1 C79.1 C80.1 C83.2 C84.2 C85.1 C86.2 C87.2 C88.1 C89.2 C91.2 C92.2 C93.1 C94.2 C96.1 C97.1 C98.2 C120.2 D2.3 D3.3 D15.3 D16.3 D17.3 D21.3 J1.4 J2.4 J4.1 J5.A1 J5.A12 J5.B1 J5.B12 J5.S1 J6.4 J8.2 J9.1 J10.2 J11.1 J11.MP J12.6 J13.A1 J13.A12 J13.B1 J13.B12 J13.S1 J17.6 J17.10 J19.1 J19.4 J20.2 J20.5 J21.1 J21.2 J22.3 J23.2 J26.1 J26.2 J26.7 J26.8 J26.13 J26.14 J28.4 J36.5 J36.6 M1.1 M1.2 M1.12 NT1.1 Q1.2 Q2.2 Q5.2 Q6.2 R5.2 R6.1 R11.2 R13.2 R15.2 R18.2 R19.2 R21.2 R26.2 R31.1 R38.2 R39.2 R45.1 R48.1 R49.1 R50.1 R69.2 R71.2 R73.1 R75.2 R79.2 R80.2 R83.2 R84.2 R87.2 R88.2 SW1.1 SW2.CASE SW3.CASE SW5.1 SW6.C SW6.S1 SW8.1 U1.5 U2.9 U3.12 U3.13 U3.14 U3.20 U3.21 U3.28 U3.29 U4.1 U4.40 U4.41 U5.15 U5.27 U5.31 U5.47 U5.63 U6.1 U6.8 U6.10 U7.2 U8.2 U9.1 U9.2 U9.3 U9.6 U9.7 U10.12 U11.1 U12.5 U13.1 U14.3 U14.9 U14.10 U14.13 U14.18 U14.20 U14.29 U15.1 U16.4 U17.1 U18.1 U19.3 U19.10 U19.13 U19.18 U19.20 U19.29 U20.3 U20.9 U20.13 U20.18 U20.20 U20.29 U22.1 U22.3 U22.6 U27.1 X2.1 X2.5 X2.6 X2.8 X2.12 X3.1 X3.6
GNDA: C14.2 C15.2 C21.2 C22.2 J3.S J14.S J16.S J16.TN JP1.1 NT1.2 R23.1 R27.2 R55.2 SW6.MP U10.24 U10.28 U10.33
1wire: J21.4 R42.1 U4.32 U13.2 U17.2
485_DE: U1.2 U1.3 U4.34
485_DI: U1.4 U4.33
485_RO: U1.1 U4.35
/actors/D9_COOL: D12.1 Q3.2
/actors/D10_COOL: D9.1 D10.2
/actors/D11_COOL: D10.1 D11.2
/actors/D12_COOL: D8.1 D9.2
/actors/D13_COOL: D11.1 D12.2
/audioamplifier/JACK_DETECT: C18.2 J16.T R25.2 R27.1 TP1.1 U10.3
/psu/BOOT: C81.1 U27.6
/psu/FB: C82.1 R59.2 R60.2 U27.4
/psu/SW: C81.2 L4.2 U27.2
ADC0: J27.3 U5.22
ADC1: J27.4 U5.23
BL_DRV1: U3.27 U5.38
BL_DRV2: U3.25 U5.39
BL_DRV3: U3.23 U5.40
BL_ENABLE: R63.2 U3.22 U3.24 U3.26
BL_ENABLEx: R63.1 U5.60
BL_FAULT: U3.18 U5.41
BL_HALL1: C8.1 R16.2 R17.2 U5.24
BL_HALL2: C9.1 R14.2 R51.2 U5.21
BL_HALL3: C10.1 R10.2 R64.2 U5.20
BL_ISENSE: R38.1 U3.6 U3.7 U3.10 U5.36
BL_RESET: U3.16 U5.56
BL_SLEEP: U3.17 U5.42
BRIGHTNESS: R11.1 R32.2 U5.5
BTN_GRN: C53.2 J6.6 R40.1 R41.2 U4.27
BTN_RED: R39.1 SW7.2 U5.61
BTN_YEL: C40.2 R66.2 R67.2 U5.6
CAN_RX: U4.39 U7.4
CAN_TX: U4.38 U7.1
CANH: D3.2 J15.1 R46.2 U7.7
CANL: D3.1 J15.2 SW3.2 SW3.3 U7.6
DAC0: J27.1 U5.18
DAC1: R50.2 U5.19 U16.3
DAC1x: J27.2 U16.6 U16.7
EXT_CLK: M1.4 U4.18 U6.4 U14.19 U15.5
EXT_CS: M1.5 U4.15 U6.5 U14.16 U15.4
EXT_IO1: M1.6 U4.19 U6.14 U15.3 U19.19 X3.4
EXT_IO2: M1.8 U4.20 U6.15 U15.8 U19.16 X3.7
EXT_MISO: M1.7 R22.2 U4.17 U6.2 U14.14 U15.7 U19.14 U20.14 X3.3
EXT_MOSI: M1.3 R22.1 U4.16 U6.3 U15.6 X3.2
FAN_DRIVE: J26.5 R35.2 U5.17
HEATER: D14.2 R30.2 U5.2
HEATER_SW: Q2.3 R33.2
I2C_IRQ: J12.2 J20.6 J23.5 U4.4 U9.4
I2S_ADC: U4.24 U10.9
I2S_BCLK: U4.25 U10.8
I2S_DAC: U4.26 U10.10
I2S_FS: U4.23 U10.7
I2S_MCLK: U4.22 U10.11
LCD_BACKLIGHT: R74.2 U4.10
LCD_CLK: U4.12 X2.9
LCD_DAT: U4.31 X2.10
LCD_DC: U4.11 X2.7
LCD_RES: JP3.2 R62.2 U5.55 X2.11
LED_INFO: R34.1 U5.54
LED_RGB: R70.2 U4.21
LED_WHITE_P: J26.6 R12.2 U5.14
MOVE: U5.3 U22.5
OPAMP3+: J34.2 U5.35
OPAMP3-: J34.3 U5.26
OPAMP3Q: J34.5 U5.25
PB12: J34.4 U5.34
PROG_EN: C5.1 J6.1 R1.2 R2.1 U4.3
PROG_RX: J6.5 U4.36
PROG_TX: J6.3 U4.37
ROT_A: R36.1 SW6.A U5.12
ROT_B: R37.2 SW6.B U5.13
RS485A: D2.2 J15.4 R8.2 R20.1 U1.6
RS485B: D2.1 J15.3 R5.1 SW2.2 SW2.3 U1.7
SCL: J2.1 J4.3 J10.3 J11.4 J12.4 J19.3 J20.3 J23.3 R44.1 U2.2 U4.6 U5.51 U9.13 U10.16 U12.3
SDA: J2.2 J4.4 J10.4 J11.3 J12.3 J19.2 J20.4 J23.4 R43.1 U2.3 U4.5 U5.62 U9.14 U10.17 U12.4
Servo0: J26.17 U5.8
Servo1: J26.18 U5.9
Servo2: J26.11 U5.10
Servo3: J26.12 U5.11
STEPPER_DIR3: JP6.2 U20.19
STEPPER_EN: R29.1 U5.4 U14.2 U19.2 U20.2
STEPPER_STEP3: JP7.2 U20.16
STM32_RESET: C25.1 J36.2 U5.7
SWCLK: J36.8 U5.50
SWDIO: J36.10 U5.49
UART3_RX: J34.1 U5.33
UART3_TX: J34.6 U5.30
UART4_RX: J36.9 U5.53
UART4_TX: J36.7 U5.52
USBM: J5.A7 J5.B7 U4.13 U8.3 U8.4
USBP: J5.A6 J5.B6 U4.14 U8.1 U8.6
USBPD_CC1: J13.A5 U5.43 U5.59
USBPD_CC2: J13.B5 U5.44 U5.57
USBPD_D+: J13.A6 J13.B6 U5.46
USBPD_D-: J13.A7 J13.B7 U5.45
uSD_CLK: J17.5 R57.2 U4.8
uSD_CMD: J17.3 R56.2 U4.7
uSD_D0: J17.7 R58.2 U4.9
Net-(C1-Pad1): C1.1 R3.2
Net-(C16-Pad2): C16.2 J14.T
Net-(C17-Pad2): C17.2 J14.R
Net-(C19-Pad2): C19.2 J16.R R55.1
Net-(C24-Pad1): C24.1 J3.R
Net-(C62-Pad1): C62.1 J3.T
Net-(D14-K): D14.1 R6.2
Net-(D15-DIN): D15.4 D21.2
Net-(D15-DOUT): D15.2 D16.4
Net-(D16-DOUT): D16.2 D17.4
Net-(D17-DOUT): D17.2 J8.3
Net-(D19-K): D19.1 R34.2
Net-(D20-K): C45.2 D20.1 D21.1
Net-(D21-DIN): D21.4 R70.1
Net-(J1-Pin_1): J1.1 R16.1
Net-(J1-Pin_2): J1.2 R14.1
Net-(J1-Pin_3): J1.3 R10.1
Net-(J5-CC1): J5.A5 R18.1
Net-(J5-CC2): J5.B5 R19.1
Net-(J7-Pin_2): J7.2 Q5.3
Net-(J17-DAT3/CD): J17.2 R61.2
Net-(J24-Pin_1): J24.1 U14.1
Net-(J24-Pin_2): J24.2 U14.26
Net-(J24-Pin_3): J24.3 U14.24
Net-(J24-Pin_4): J24.4 U14.21
Net-(J28-Pin_1): J28.1 U3.9
Net-(J28-Pin_2): J28.2 U3.8
Net-(J28-Pin_3): J28.3 U3.5
Net-(J30-Pin_1): J30.1 U19.1
Net-(J30-Pin_2): J30.2 U19.26
Net-(J30-Pin_3): J30.3 U19.24
Net-(J30-Pin_4): J30.4 U19.21
Net-(J31-Pin_1): J31.1 U20.1
Net-(J31-Pin_2): J31.2 U20.26
Net-(J31-Pin_3): J31.3 U20.24
Net-(J31-Pin_4): J31.4 U20.21
Net-(J36-Pin_3): J36.3 J36.4 JP4.1
Net-(J36-Pin_11): J36.11 J36.12 JP5.2
Net-(JP1-B): C20.1 JP1.2 MK1.1 R23.2
Net-(JP2-A): C4.1 JP2.1 R47.1 U2.1 U18.2 U18.7
Net-(JP3-A): JP3.1 U4.30
Net-(JP6-A): JP6.1 U4.28
Net-(JP7-A): JP7.1 U4.29
Net-(MK1-+): C23.1 MK1.2 R24.1
Net-(Q1-B): Q1.1 Q3.3 R13.1 R15.1
Net-(Q1-C): Q1.3 Q3.1 R12.1
Net-(Q2-G): Q2.1 R30.1 R31.2
Net-(Q5-G): Q5.1 R35.1 R45.2
Net-(Q6-D): Q6.3 R78.2
Net-(Q6-G): Q6.1 R74.1 R75.1
Net-(R1-Pad1): R1.1 SW1.2
Net-(R3-Pad1): R3.1 R47.2
Net-(R4-Pad2): R4.2 SW5.2
Net-(R25-Pad1): R25.1 R54.2
Net-(R40-Pad2): R40.2 SW8.2
Net-(R48-Pad2): R48.2 R60.1
Net-(R66-Pad1): R66.1 SW6.S2
Net-(SW2-A): R20.2 SW2.1
Net-(SW3-A): R46.1 SW3.1
Net-(U2-BAT): C7.1 R7.2 R28.2 U2.6
Net-(U2-KEY): R4.1 U2.5
Net-(U2-SW): L1.1 U2.7
Net-(U3-CPH): C38.2 U3.2
Net-(U3-CPL): C38.1 U3.1
Net-(U3-V3P3): C61.1 U3.15
Net-(U3-VCP): C51.1 U3.3
Net-(U5-VDDA): C37.1 C49.1 FB2.1 U5.28 U5.29
Net-(U7-Rs): R21.1 U7.8
Net-(U10-AUXOUT1): C16.1 U10.21
Net-(U10-AUXOUT2): C17.1 U10.22
Net-(U10-LAUXIN): C62.2 U10.19
Net-(U10-LHP): C18.1 U10.30
Net-(U10-LMICN): C20.2 U10.2 U10.5
Net-(U10-LMICP): C23.2 U10.1 U10.4
Net-(U10-LSPKOUT): LS1.1 U10.25
Net-(U10-MICBIAS): C22.1 R24.2 U10.32
Net-(U10-MODE): R26.1 U10.18
Net-(U10-RAUXIN): C24.2 U10.20
Net-(U10-RHP): C19.1 U10.29
Net-(U10-RLIN/GPIO3): TP6.1 U10.6
Net-(U10-RSPKOUT): LS1.2 U10.23
Net-(U10-VREF): C21.1 U10.27
Net-(U12-VDD): C56.1 C57.2 R9.2 U12.2
Net-(U14-5VOUT): C73.1 U14.8
Net-(U14-BRA): R83.1 U14.23
Net-(U14-BRB): R79.1 U14.27
Net-(U14-CPI): C74.2 U14.5
Net-(U14-CPO): C74.1 U14.4
Net-(U14-VCP): C75.2 U14.6
Net-(U16A--): R49.2 R52.2 U16.2
Net-(U16B-+): R52.1 U16.1 U16.5
Net-(U18-PR1): R72.1 R73.2 U18.4
Net-(U19-5VOUT): C70.1 U19.8
Net-(U19-BRA): R80.1 U19.23
Net-(U19-BRB): R84.1 U19.27
Net-(U19-CPI): C71.2 U19.5
Net-(U19-CPO): C71.1 U19.4
Net-(U19-VCP): C58.2 U19.6
Net-(U20-5VOUT): C94.1 U20.8
Net-(U20-BRA): R87.1 U20.23
Net-(U20-BRB): R88.1 U20.27
Net-(U20-CPI): C95.2 U20.5
Net-(U20-CPO): C95.1 U20.4
Net-(U20-VCP): C90.2 U20.6
Net-(U22-OEN): R53.2 U22.2
Net-(X2-LEDK): R78.1 X2.2

Pads without a net: J3 TN; J5 A8 B8; J9 3; J10 5 6; J12 1 7 8; J13 A8 B8; J14 TN; J17 1 8 9; J19 6; J20 7 8; J23 6; M1 9; SW1 MP; U2 4; U3 19; U6 6 7 9 11 12 16; U7 5; U9 9 10 11; U10 15; U12 1 6; U14 7 11 12 17 25; U18 8; U19 7 11 12 17 25; U20 7 11 12 17 25; U27 5

## Via types
v1: diameter 0.6, hole 0.3, Top to Bottom, 1155 vias
v2: diameter 1, hole 0.5, Top to Bottom, 34 vias

## Routing (per net, layer and track width the routed paths; a pad name or vN(x,y) marks a point on that pad's centre or on a via; arc(x,y) is an arc through that point)
5V_PD: length 77.1
  In2.Cu w0.8: v1(14.8,76.75) 14.5,76.45 14.5,76.2 14.21,75.91 14.21,72.95 14.22,72.94 14.22,66.42 13.5,65.7 13.08,65.7 12.4,65.02 12.4,60.25 12.35,60.2 12.35,59.63 9.81,57.09 9.81,42.85 12.65,40 12.65,25.5 10.7,23.55 v1(9.95,23.55)
  Bottom w0.3: R59.1 21.27,89.59 C82.2 20.77,88.4 17,88.4 16.36,87.76 16.36,85.88 14.9,84.42 14.9,83.47 C84.1 ; v1(9.95,23.55) 9.95,23.63 10.42,24.1 U18.3 ; v1(9.95,23.55) 9.9,23.6 U18.5 ; v1(9.95,23.55) 10.38,23.12 R72.2
  Bottom w0.6: C84.1 C83.1 14.58,80
  Bottom w0.8: 15.67,77.62 v1(14.8,76.75)
5V_USB: length 18.3
  In2.Cu w0.2: 8.6,21.8 10.7,21.8 14.45,25.55 16.51,25.55 v1(16.56,25.6)
  In2.Cu w0.6: 8.6,23.78 v1(8.6,19)
  Bottom w0.2: v1(16.56,25.6) U8.5
  Bottom w0.3: U18.6 8.85,24.1 v1(8.55,23.8) J5.A9
  Bottom w0.6: J5.A4 v1(8.6,19)
24V_INPUT: length 13.6
  Top w0.2: v1(36.99,71.75) 35.99,70.75 v1(33.38,70.75)
  Bottom w0.2: v1(33.38,70.75) 33.38,70.3 33.35,70.27 U5.58 ; 40.5,76.98 R71.1 40.29,76.05 37.7,76.05 36.85,75.2 36.85,71.89 v1(36.99,71.75)
24V_SENSE: length 4
  Bottom w0.2: U5.37 25.02,62.08 24.36,61.42 R69.1 ; R68.2 24.2,60.68 24.2,60.94
